# Altium PCB BLDC_Motor_Controller.PcbDoc
Units mil, origin at the board's own origin, x right, y up, seen from the top; angles counter-clockwise.
Board outline 3149.61 x 1574.8 mil, 4 copper layers (Top Layer, Layer 1, Layer 2, Bottom Layer), stack 23.756 mil thick; 59 components, 51 nets, 220 pads, 437 vias.
Unrouted connection lines stored in the file: 37.
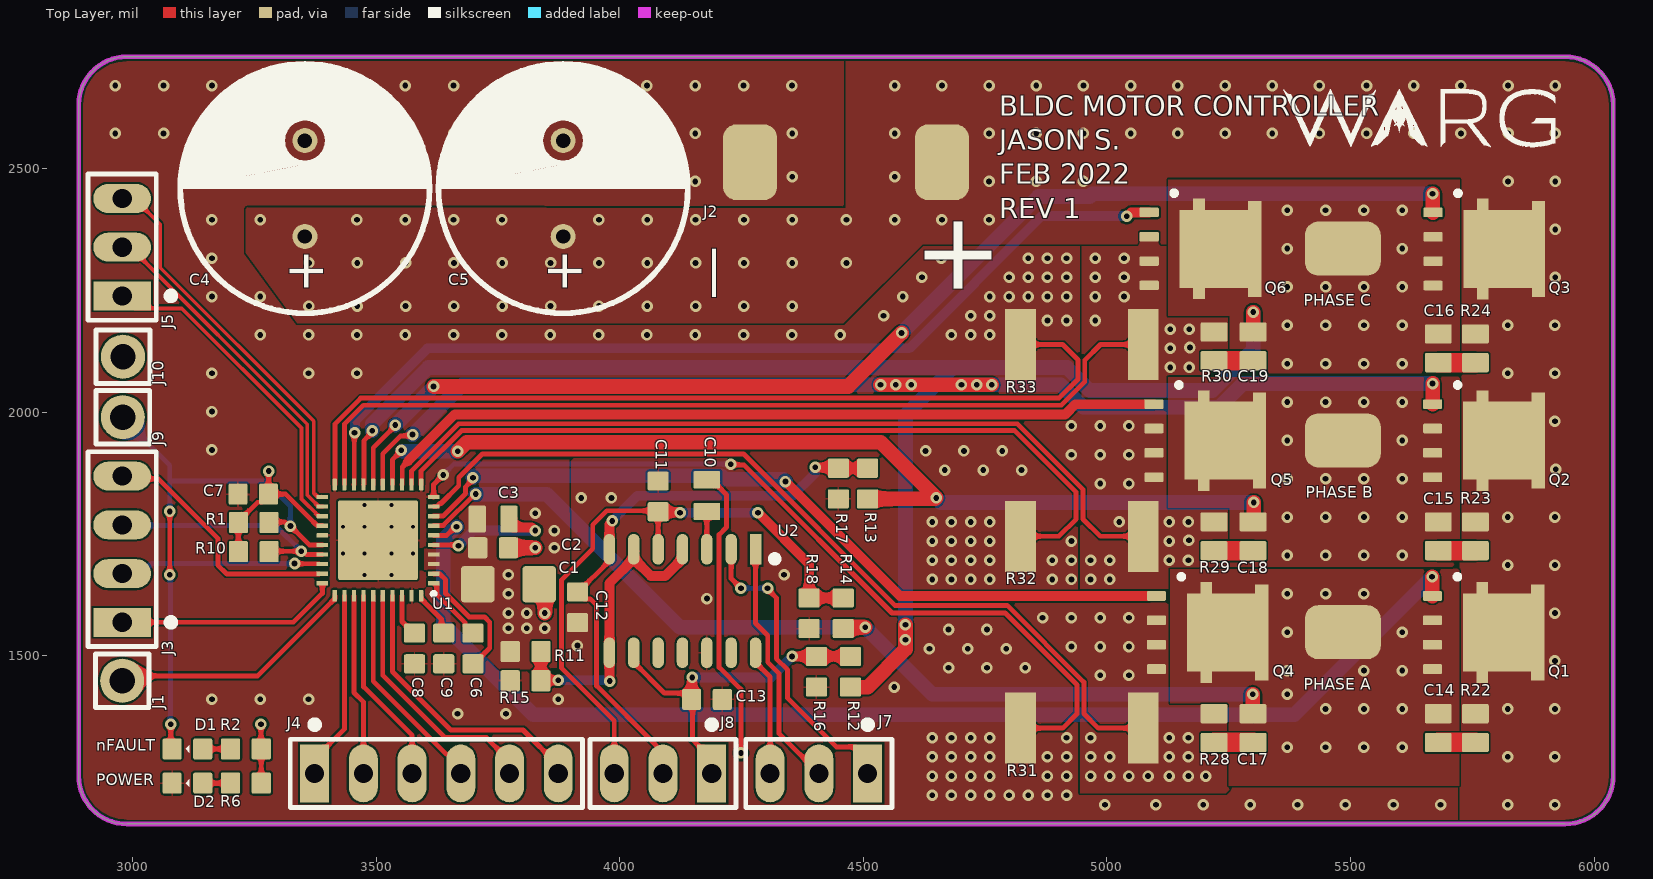
[diagram p0: Top Layer view]
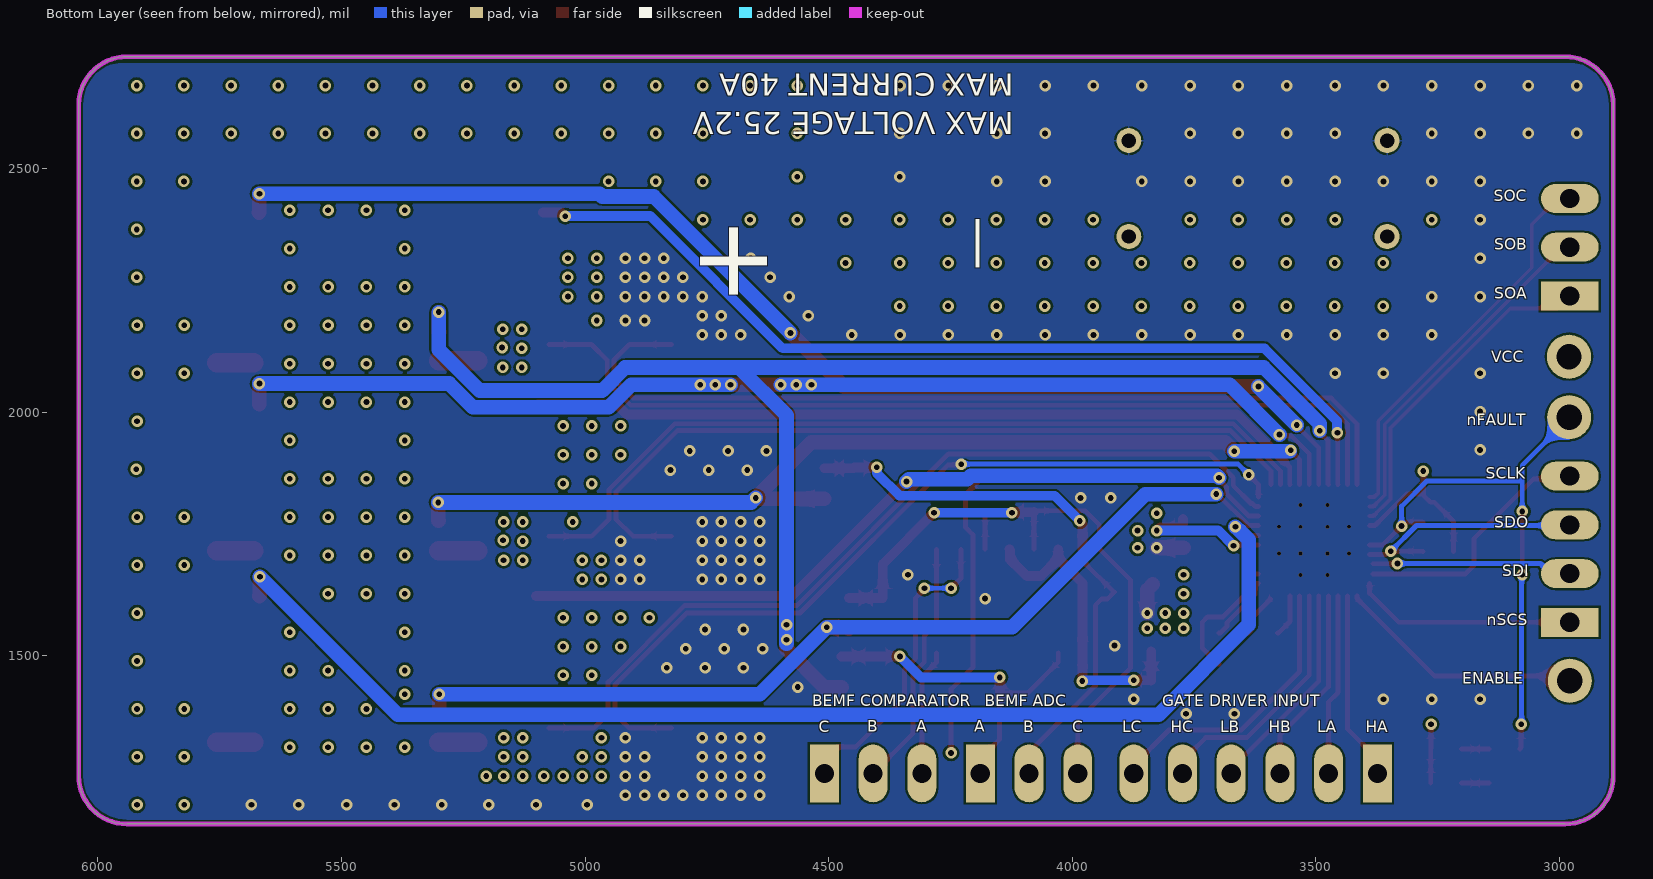
[diagram p1: Bottom Layer view, seen from below]
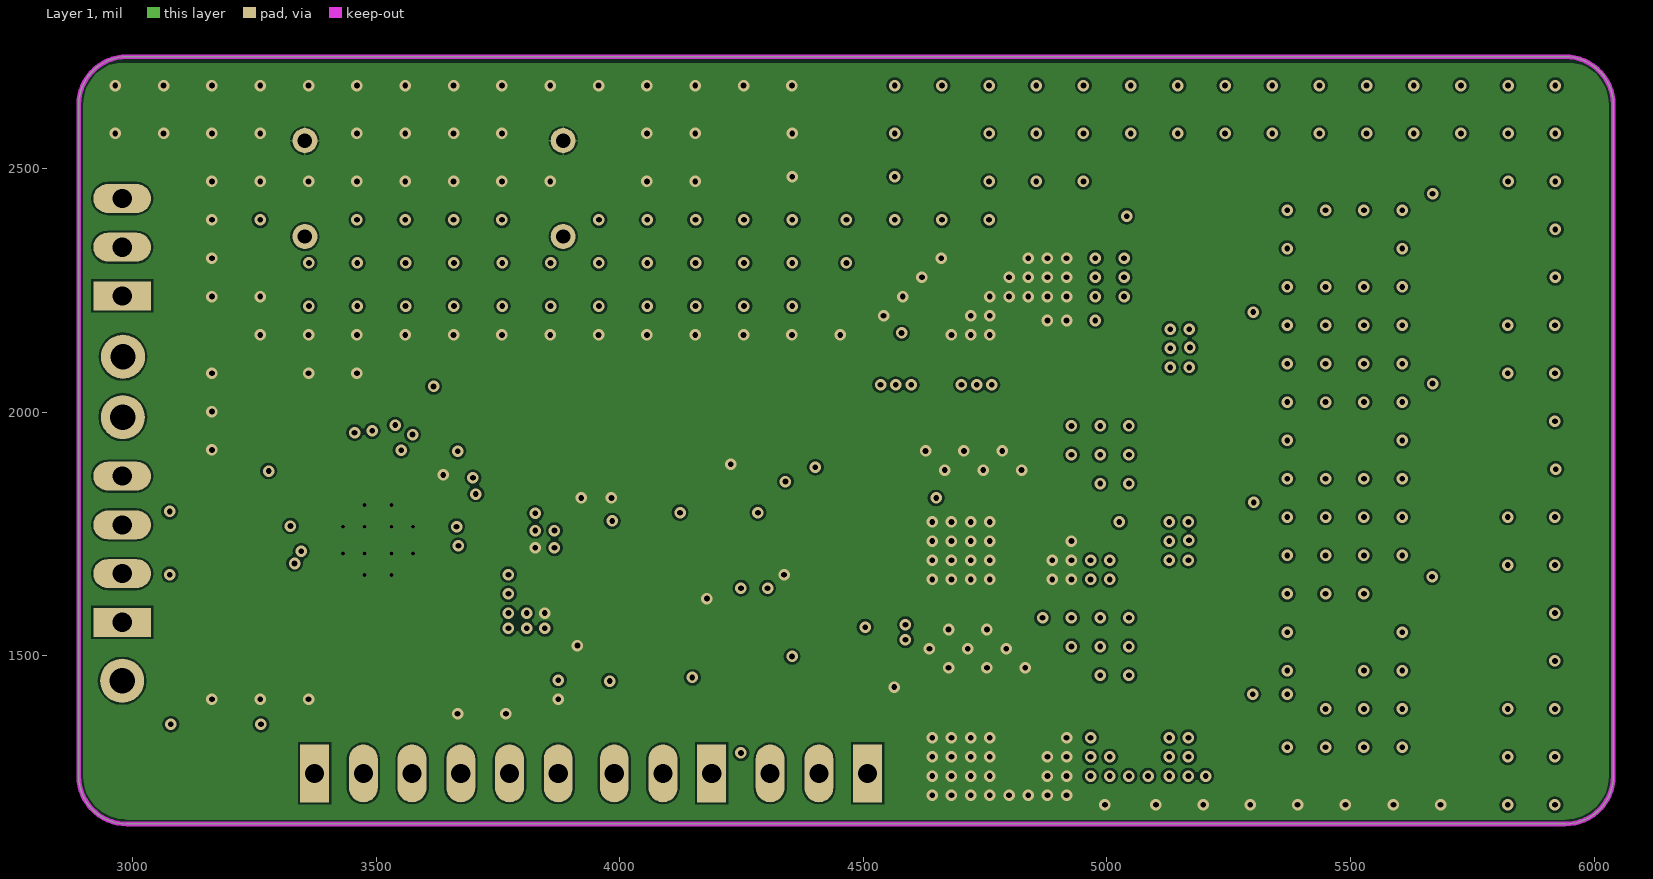
[diagram p2: Layer 1]
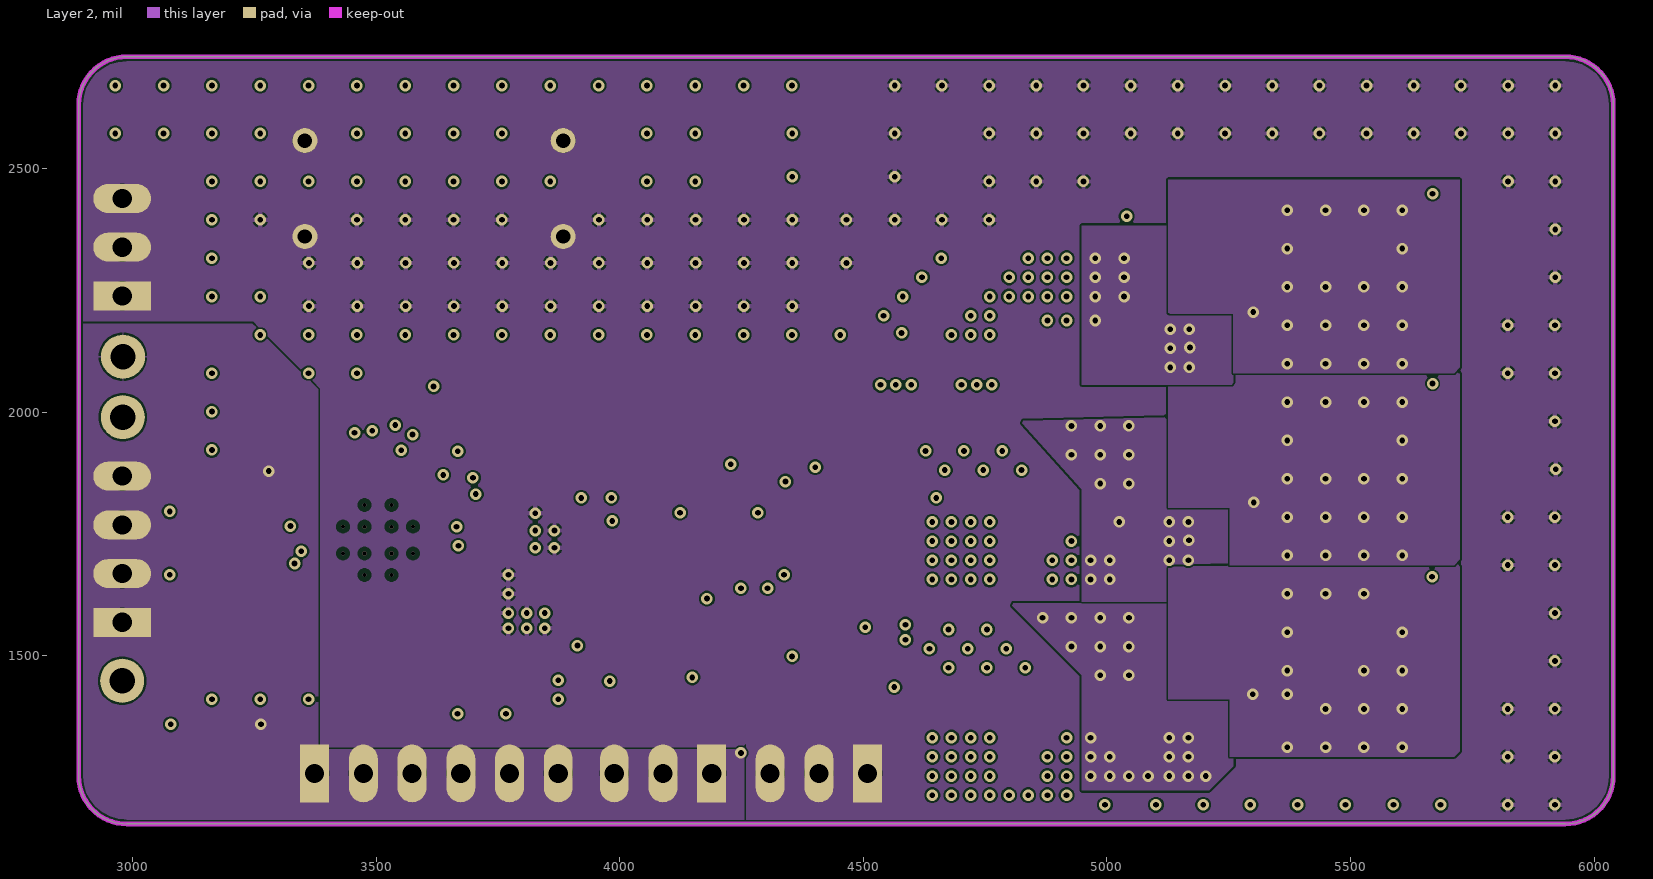
[diagram p3: Layer 2]
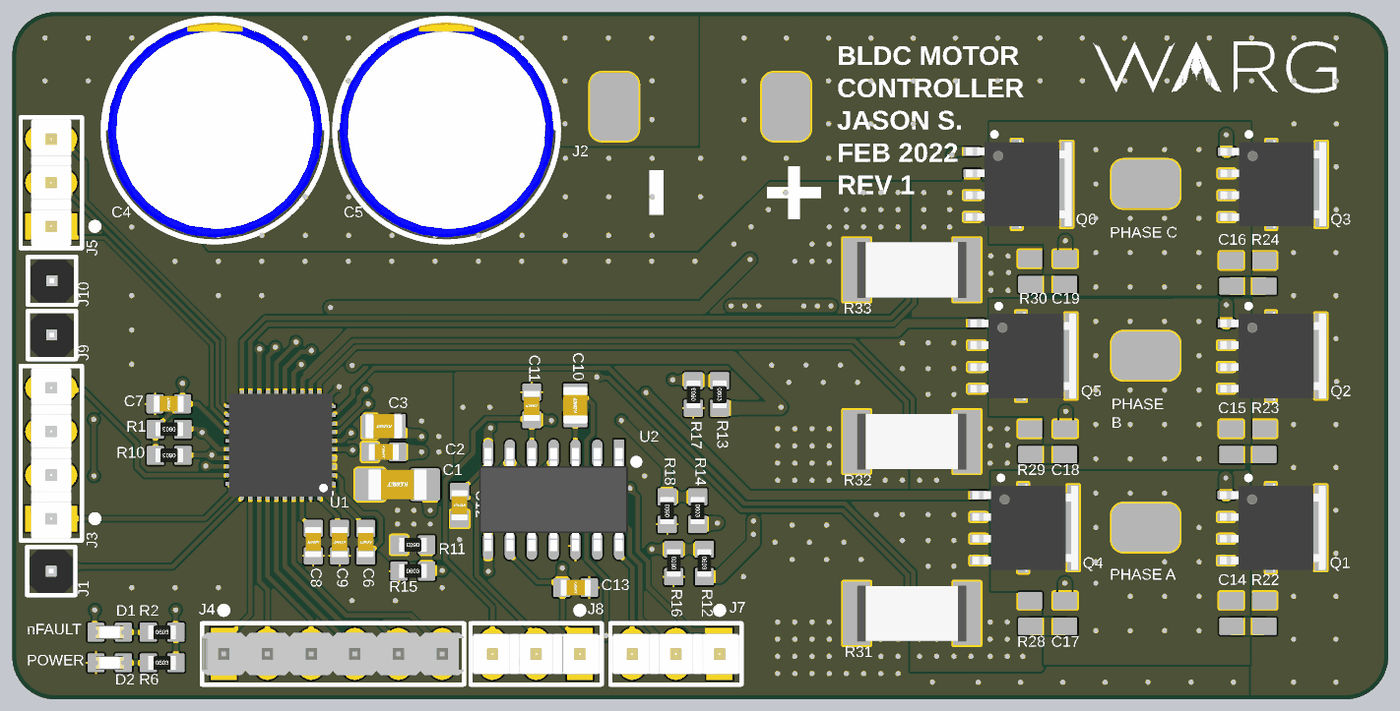
[diagram p4: 3D render of the assembled board from above, using the file's embedded part models]

## Layer stack, top to bottom
Top Solder: solder mask 0.4, Solder Resist, Dk 3.5
Top Layer: signal copper 1.4
Dielectric 2: prepreg 2.8, PP-006, Dk 4.1
Layer 1: signal copper 1.378
Dielectric 1: dielectric 12.6, FR-4, Dk 4.8
Layer 2: signal copper 1.378
Dielectric 3: prepreg 2.8, PP-006, Dk 4.1
Bottom Layer: signal copper 1.4
Bottom Solder: solder mask 0.4, Solder Resist, Dk 3.5

## Board outline
2889.53,1253.43 ccw(c2987.95,1253.43) 2987.95,1155 5940.71,1155 ccw(c5940.71,1253.43) 6039.13,1253.43 6039.13,2631.38 ccw(c5940.71,2631.38) 5940.71,2729.8 2987.95,2729.8 ccw(c2987.95,2631.38) 2889.53,2631.38

## Design rules (kind name [scope] priority, off if disabled: settings)
BoardOutlineClearance [All] p1: gap=7.87 ignorepadtopadclearanceinfootprint=FALSE
Clearance [All] p1: gap=4 ignorepadtopadclearanceinfootprint=FALSE except(5: Arc-THPad Track-THPad SMDPad-THPad THPad-THPad Via-Via Via-Fill Via-Poly Via-Region Via-Text; 10: Arc-Hole Track-Hole SMDPad-Hole THPad-Hole Via-Hole Fill-Hole Poly-Hole Region-Hole Text-Hole)
MinimumSolderMaskSliver [All] p1: minsoldermaskwidth=0
PlaneClearance [All] p1: clearance=4
PolygonConnect PolygonConnect_11 [All vs IsNamedPolygon('GND_POWER_TOP')] p1: connectstyle=Direct reliefconductorwidth=10 reliefentries=4 polygonreliefangle="90 Angle" airgapwidth=10
PolygonConnect PolygonConnect_10 [All vs IsNamedPolygon('GND_SHUNT_TOP')] p2: connectstyle=Direct reliefconductorwidth=10 reliefentries=4 polygonreliefangle="90 Angle" airgapwidth=10
PolygonConnect PolygonConnect_9 [All vs IsNamedPolygon('PHASE_C_TOP')] p3: connectstyle=Direct reliefconductorwidth=10 reliefentries=4 polygonreliefangle="90 Angle" airgapwidth=10
PolygonConnect PolygonConnect_8 [All vs IsNamedPolygon('PHASE_C_SHUNT_TOP')] p4: connectstyle=Direct reliefconductorwidth=10 reliefentries=4 polygonreliefangle="90 Angle" airgapwidth=10
PolygonConnect PolygonConnect_7 [All vs IsNamedPolygon('PHASE_B_SHUNT_TOP')] p5: connectstyle=Direct reliefconductorwidth=10 reliefentries=4 polygonreliefangle="90 Angle" airgapwidth=10
PolygonConnect PolygonConnect_6 [All vs IsNamedPolygon('PHASE_B_TOP')] p6: connectstyle=Direct reliefconductorwidth=10 reliefentries=4 polygonreliefangle="90 Angle" airgapwidth=10
PolygonConnect PolygonConnect_5 [All vs IsNamedPolygon('PHASE_A_TOP')] p7: connectstyle=Direct reliefconductorwidth=10 reliefentries=4 polygonreliefangle="90 Angle" airgapwidth=10
PolygonConnect PolygonConnect_4 [All vs IsNamedPolygon('PHASE_A_SHUNT_TOP')] p8: connectstyle=Direct reliefconductorwidth=10 reliefentries=4 polygonreliefangle="90 Angle" airgapwidth=10
PolygonConnect PolygonConnect_3 [All vs IsNamedPolygon('VBUS_TOP')] p9: connectstyle=Direct reliefconductorwidth=10 reliefentries=4 polygonreliefangle="90 Angle" airgapwidth=10
PolygonConnect PolygonConnect_2 [All vs IsNamedPolygon('VBUS_LAYER_2')] p10: thpad.connectstyle=Direct thpad.reliefconductorwidth=10 thpad.reliefentries=4 thpad.polygonreliefangle="90 Angle" thpad.airgapwidth=10 smdpad.connectstyle=Direct smdpad.reliefconductorwidth=10 smdpad.reliefentries=4 smdpad.polygonreliefangle="90 Angle" smdpad.airgapwidth=10 via.connectstyle=Relief via.reliefconductorwidth=10 via.reliefentries=4 via.polygonreliefangle="90 Angle" via.airgapwidth=10
PolygonConnect PolygonConnect_1 [(InComponent('r31') AND InComponent('r32') AND InComponent('r33'))] p11: connectstyle=Direct reliefconductorwidth=10 reliefentries=4 polygonreliefangle="90 Angle" airgapwidth=10
PolygonConnect [All] p12: thpad.connectstyle=Relief thpad.reliefconductorwidth=4 thpad.reliefentries=4 thpad.polygonreliefangle="90 Angle" thpad.airgapwidth=4 smdpad.connectstyle=Relief smdpad.reliefconductorwidth=4 smdpad.reliefentries=4 smdpad.polygonreliefangle="90 Angle" smdpad.airgapwidth=4 via.connectstyle=Direct via.reliefconductorwidth=4 via.reliefentries=4 via.polygonreliefangle="90 Angle" via.airgapwidth=4
RoutingVias [All] p1: holewidth=28 width=50 viastyle="Through Hole" minholewidth=28 minwidth=50 maxholewidth=28 maxwidth=50
SilkToSilkClearance [All] p1: silktosilkclearance=0
SilkToSolderMaskClearance [IsPad] p1: minsilkscreentomaskgap=4 clearancetoexposedcopper=TRUE
SolderMaskExpansion [All] p1: expansion=4 istentingtop=FALSE
Width Width_4 [InNet('NetR9_2') OR InNet('NetR7_2') OR InNet('NetR4_2')] p1: maxlimit=50 minlimit=10 preferedwidth=30
Width Width_POWER [InNet('VBUS') or InNet('GND')] p2: maxlimit=160 minlimit=10 preferedwidth=10
Width Width_3 [InNet('VBUS')] p3: maxlimit=100 minlimit=10 preferedwidth=50 midlayer1_maxwidth=10 midlayer1_prefwidth=10 midlayer2_maxwidth=10 midlayer2_prefwidth=10 minimp=50.000000 maximp=50.000000 favimp=50.000000
Width Width_2 [InNet('NetJ4_1', 'NetJ4_2','NetJ4_3','NetJ4_4','NetJ4_5', 'NetJ4_6')] p4: maxlimit=10 minlimit=8 preferedwidth=10 midlayer1_minwidth=10 midlayer2_minwidth=10 minimp=50.000000 maximp=50.000000 favimp=50.000000
Width Width_1 [InNet('NetQ1_2' , 'NetQ6_3' , 'NetQ6_2' , 'NetQ5_3' , 'NetQ5_2' , 'NetQ4_3' , 'NetQ4_2' , 'NetQ3_2' , 'NetQ2_2',  'NetC14_1', 'NetC15_1', 'NetC16_1','NetC17_1','NetC18_1','NetC19_1', 'NetC14_2', 'NetC15_2', 'NetC16_2', 'COMP_A', 'COMP_B', 'COMP_C', 'NetR11_1', 'NetR8_2', 'NetR5_2', 'NetR3_2', 'NetC3_1')] p5: maxlimit=50 minlimit=8 preferedwidth=40 minimp=50.000000 maximp=50.000000 favimp=50.000000
Width [All] p6: maxlimit=10 minlimit=8 preferedwidth=10
26 further rules are at their usual default settings.

## Classes and differential pairs
component class Three_Phase_Inverter: C14 C15 C16 C17 C18 C19 Q1 Q2 Q3 Q4 Q5 Q6 R22 R23 R24 R28 R29 R30 R31 R32 R33
component class Gate_Driver_Connectors: J1 J2 J3 J4 J5 J7 J8 J9 J10 R10
component class DRV8353FS: C1 C2 C3 C4 C5 C6 C7 C8 C9 D1 D2 R1 R2 R6 U1
component class BEMF_Sensing: C10 C11 C12 C13 R11 R12 R13 R14 R15 R16 R17 R18 U2

## Components (designator, comment, footprint, x,y, rotation, side; value= is the part's Value field where it differs from the comment)
C1 "CAP_10uF_50V_1206" CAP1206 3771.42,1647.13 r180 top value=10uF
C2 "CAP_0.1uF_50V_0603" CAP0603 3739.92,1721.93 r180 top value=0.1uF
C3 "CAP_1uF_50V_0805" CAP0805 3739.92,1780.98 r180 top value=1uF
C4 "CAP_680uF_35V_TH_RUBYCON" CAP_TH_RADIAL 3353.7,2459.29 r90 top
C5 "CAP_680uF_35V_TH_RUBYCON" CAP_TH_RADIAL 3883.7,2459.29 r90 top
C6 "CAP_47nF_50V_0603" CAP0603 3698.66,1515.24 r90 top
C7 "CAP_0.1uF_25V_0603" CAP0603 3247.8,1832.17 r0 top
C8 "CAP_1uF_25V_0603" CAP0603 3578.66,1515.24 r90 top
C9 "CAP_1uF_25V_0603" CAP0603 3638.66,1515.24 r90 top
C10 "CAP_1uF_50V_0805" CAP0805 4178.66,1828.98 r90 top value=1uF
C11 "CAP_1nF_50V_0603" CAP0603 4078.66,1827.48 r270 top
C12 "CAP_1nF_50V_0603" CAP0603 3913.15,1599.88 r90 top
C13 "CAP_1nF_50V_0603" CAP0603 4178.9,1410.91 r180 top
C14 "EMPTY PART FOR RC SNUBBER CIRCUIT" RES/CAP_OVERSIZED 5680.08,1351.85 r90 top
C15 "EMPTY PART FOR RC SNUBBER CIRCUIT" RES/CAP_OVERSIZED 5680.08,1745.55 r90 top
C16 "EMPTY PART FOR RC SNUBBER CIRCUIT" RES/CAP_OVERSIZED 5680.08,2131.38 r90 top
C17 "EMPTY PART FOR RC SNUBBER CIRCUIT" RES/CAP_OVERSIZED 5299.76,1351.85 r90 top
C18 "EMPTY PART FOR RC SNUBBER CIRCUIT" RES/CAP_OVERSIZED 5299.76,1745.55 r90 top
C19 "EMPTY PART FOR RC SNUBBER CIRCUIT" RES/CAP_OVERSIZED 5299.76,2135.32 r90 top
D1 "LED_RED_2V_0603" LED0603 3112.6,1308.98 r180 top
D2 "LED_GREEN_2.1V_0603" LED0603 3112.6,1238.98 r180 top
J1 "CON_1X1_2.54MM_MALE_TH_HDR" HDR_MALE_1X1 2978.66,1448.98 r270 top
J2 "POWER_PAD_2X1" POWER_PAD_2X1 4661.18,2513.27 r180 top (schematic designator J?)
J3 "CON_4X1_2.54MM_MALE_TH_HDR" 0022032041 2978.66,1568.98 r90 top
J4 "CON_6X1_2.54MM_MALE_TH_HDR" 0022284060 3623.66,1258.98 r0 top
J5 "CON_3X1_2.54MM_MALE_TH_HDR" 0022102031 2978.66,2238.98 r90 top
J7 "CON_3X1_2.54MM_MALE_TH_HDR" 0022102031 4508.66,1258.98 r180 top
J8 "CON_3X1_2.54MM_MALE_TH_HDR" 0022102031 4188.66,1258.98 r180 top
J9 "CON_1X1_2.54MM_MALE_TH_HDR" HDR_MALE_1X1 2980,1990 r0 top
J10 "CON_1X1_2.54MM_MALE_TH_HDR" HDR_MALE_1X1 2980.32,2114.17 r0 top
Q1 "SIJ438DP-T1-GE3" NMOS_PPAK_SO8 5801.93,1548.06 r270 top
Q2 "SIJ438DP-T1-GE3" NMOS_PPAK_SO8 5802.28,1941.76 r270 top
Q3 "SIJ438DP-T1-GE3" NMOS_PPAK_SO8 5803.11,2335.24 r270 top
Q4 "SIJ438DP-T1-GE3" NMOS_PPAK_SO8 5235.24,1548.06 r270 top
Q5 "SIJ438DP-T1-GE3" NMOS_PPAK_SO8 5230.31,1941.76 r270 top
Q6 "SIJ438DP-T1-GE3" NMOS_PPAK_SO8 5220.47,2335.46 r270 top
R1 "RES_10kΩ_0603_1%" RES0603 3248.66,1773.98 r180 top value=10kΩ
R2 "RES_2.61kΩ_0603_1%" RES0603 3232.6,1308.98 r0 top
R6 "RES_2.4kΩ_0603_1%" RES0603 3232.6,1238.98 r0 top value=2.4kΩ
R10 "RES_10kΩ_0603_1%" RES0603 3248.66,1713.98 r180 top value=10kΩ
R11 "RES_150kΩ_0603_1%" RES0603 3806.54,1508.98 r180 top
R12 "RES_150kΩ_0603_1%" RES0603 4473.66,1467.48 r270 top
R13 "RES_150kΩ_0603_1%" RES0603 4508.66,1853.86 r270 top
R14 "RES_150kΩ_0603_1%" RES0603 4458.66,1587.48 r270 top
R15 "RES_4.02Ω_0603_5%" RES0603 3806.54,1448.98 r0 top
R16 "RES_10kΩ_0603_1%" RES0603 4403.66,1467.48 r90 top value=10kΩ
R17 "RES_10kΩ_0603_1%" RES0603 4448.66,1853.86 r90 top value=10kΩ
R18 "RES_10kΩ_0603_1%" RES0603 4388.66,1587.48 r90 top value=10kΩ
R22 "RES_OVERSIZED" RES/CAP_OVERSIZED 5756.14,1351.85 r270 top
R23 "RES_OVERSIZED" RES/CAP_OVERSIZED 5756.14,1745.55 r270 top
R24 "RES_OVERSIZED" RES/CAP_OVERSIZED 5756.14,2131.38 r270 top
R28 "RES_OVERSIZED" RES/CAP_OVERSIZED 5219.76,1351.85 r270 top
R29 "RES_OVERSIZED" RES/CAP_OVERSIZED 5219.76,1745.55 r270 top
R30 "RES_OVERSIZED" RES/CAP_OVERSIZED 5219.76,2135.32 r270 top
R31 "RES_2512" RES_SHUNT_2512 4948.58,1351.85 r0 top
R32 "RES_2512" RES_SHUNT_2512 4948.58,1745.55 r0 top
R33 "RES_2512" RES_SHUNT_2512 4948.58,2139.25 r0 top
U1 "DRV8353FSRTAR" DRV8353FSRTAR 3503.7,1737.68 r180 top
U2 "LM2901MX" LM2901MX 4128.66,1612.68 r270 top

## Footprints (in the part's own frame and the unit in brackets; to place one, negate y for a bottom-side part, rotate by r counter-clockwise, add the part's x,y. Pads: shape width x height; smd on the part's side, far side on the other; paste and mask are expansions set on the pad)
0022032041 [mm] "Male 4 Pin Hdr Unshrouded"
  rect 1.508x3.016 hole 1: 1(0,0)
  oval 1.508x3.016 hole 1: 2(2.54,0) 3(5.08,0) 4(7.62,0)
  silkscreen extent -1.27,-2.67 8.89,1.78, body extent -1.14,-1.17 8.76,1.17, height 10.8
0022102031 [mm] "3 Pin Male Header"
  rect 1.508x3.016 hole 1: 1(0,0)
  oval 1.508x3.016 hole 1: 2(2.54,0) 3(5.08,0)
  silkscreen extent -1.27,-2.67 6.35,1.78, body extent -1.14,-1.17 6.22,1.17, height 10.8
0022284060 [mm] "6 Pin Male Header"
  rect 1.508x3.016 hole 1: 1(-6.35,0)
  oval 1.508x3.016 hole 1: 2(-3.81,0) 3(-1.27,0) 4(1.27,0) 5(3.81,0) 6(6.35,0)
  silkscreen extent -7.62,-1.78 7.62,2.67, body extent -7.62,-1.24 7.62,1.24, height 8.39
CAP0603 [mm] "Ceramic Capacitor 0603"
  rrect20% 1x1.1 smd: 1(-0.8,0) 2(0.8,0)
  body extent -0.87,-0.48 0.88,0.48, height 0.87
CAP0805 [mm] "Ceramic Capacitor 0805"
  rrect15% 0.9x1.4 smd: 1(-0.825,0) 2(0.825,0)
  body extent -1.1,-0.73 1.1,0.73, height 1.39
CAP1206 [mm] "Ceramic Capacitor 1206"
  rrect20% 1.75x1.9 smd: 1(-1.6,0) 2(1.6,0)
  body extent -1.7,-0.9 1.7,0.9, height 0.88
CAP_TH_RADIAL [mm]
  round 1.3 hole 0.75: 1(-2.5,0) 2(2.5,0)
  silkscreen extent -6.5,-6.5 6.5,6.5, body extent -6.25,-6.25 6.26,6.25, height 20.03
DRV8353FSRTAR [mm]
  rect 0.6x0.22 smd: 1(-2.9,2.25)
  rrect15% 0.6x0.22 smd: 2(-2.9,1.75) 3(-2.9,1.25) 4(-2.9,0.75) 5(-2.9,0.25) 6(-2.9,-0.25) 7(-2.9,-0.75) 8(-2.9,-1.25) 9(-2.9,-1.75) 10(-2.9,-2.25) 21(2.9,-2.25) 22(2.9,-1.75) 23(2.9,-1.25) 24(2.9,-0.75) 25(2.9,-0.25) 26(2.9,0.25) 27(2.9,0.75) 28(2.9,1.25) 29(2.9,1.75) 30(2.9,2.25)
  rrect15% 0.22x0.6 smd: 11(-2.25,-2.9) 12(-1.75,-2.9) 13(-1.25,-2.9) 14(-0.75,-2.9) 15(-0.25,-2.9) 16(0.25,-2.9) 17(0.75,-2.9) 18(1.25,-2.9) 19(1.75,-2.9) 20(2.25,-2.9) 31(2.25,2.9) 32(1.75,2.9) 33(1.25,2.9) 34(0.75,2.9) 35(0.25,2.9) 36(-0.25,2.9) 37(-0.75,2.9) 38(-1.25,2.9) 39(-1.75,2.9) 40(-2.25,2.9)
  rrect4% 4.15x4.15 smd paste-2539.97: 41(0,0)
  silkscreen extent -2.98,2.73 -2.83,2.87, body extent -3,-3 3,3, height 0.91
HDR_MALE_1X1 [mm] "CON_1X1_2.54MM_MALE_TH_HDR"
  round 2.3 hole 1.325: 1(0,0)
  silkscreen extent -1.4,-1.4 1.4,1.4, body extent -1.27,-1.27 1.27,1.27, height 10.63
LED0603 [mm] "Generic LED in 0603 package"
  rrect20% 1x1.1 smd: 1(-0.8,0) 2(0.8,0)
  silkscreen extent -0.1,-0.2 0.1,0.2, body extent -0.81,-0.4 0.81,0.4, height 0.6
LM2901MX [mm]
  rect 1.6x0.6 smd: 1(-2.7,3.81)
  oval 1.6x0.6 smd: 2(-2.7,2.54) 3(-2.7,1.27) 4(-2.7,0) 5(-2.7,-1.27) 6(-2.7,-2.54) 7(-2.7,-3.81) 8(2.7,-3.81) 9(2.7,-2.54) 10(2.7,-1.27) 11(2.7,0) 12(2.7,1.27) 13(2.7,2.54) 14(2.7,3.81)
  silkscreen extent -2.3,4.71 -2.1,4.91, body extent -3,-4.33 3,4.33, height 1.76
NMOS_PPAK_SO8 [mm]
  rect 0.595x0.61 smd mask+0.102: 1(-2.323,-0.803) 1(2.323,-0.803) 1(2.323,-0.803)
  rect 5x0.7 smd: 1(0,2.1)
  rect 4.061x3.63 smd mask+0.102: 1(0,0)
  rrect25% 0.5x1 smd: 2(-1.905,-3.4) 3(-0.635,-3.4) 3(0.635,-3.4) 3(1.905,-3.4)
  silkscreen extent -3,-2.2 -2.81,-2, body extent -2.56,-3.75 2.56,2.4, height 1.08
POWER_PAD_2X1 [mm]
  rrect50% 2.82x3.96 smd: 1(0,0) 2(10,0)
RES0603 [mm] "SMT Resistor 0603"
  rrect15% 1x1.1 smd: 1(-0.8,0) 2(0.8,0)
  body extent -0.8,-0.4 0.8,0.4, height 0.46
RES/CAP_OVERSIZED [mm]
  rrect15% 1x1.4 smd: 1(-0.75,0) 2(0.75,0)
RES_SHUNT_2512 [mm]
  rect 1.6x3.7 smd: 1(-3.2,0) 2(3.2,0)
  body extent -3.17,-1.63 3.17,1.63, height 0.59
